# Altium PCB mppt.PcbDoc (part 1 of 3) (continued)
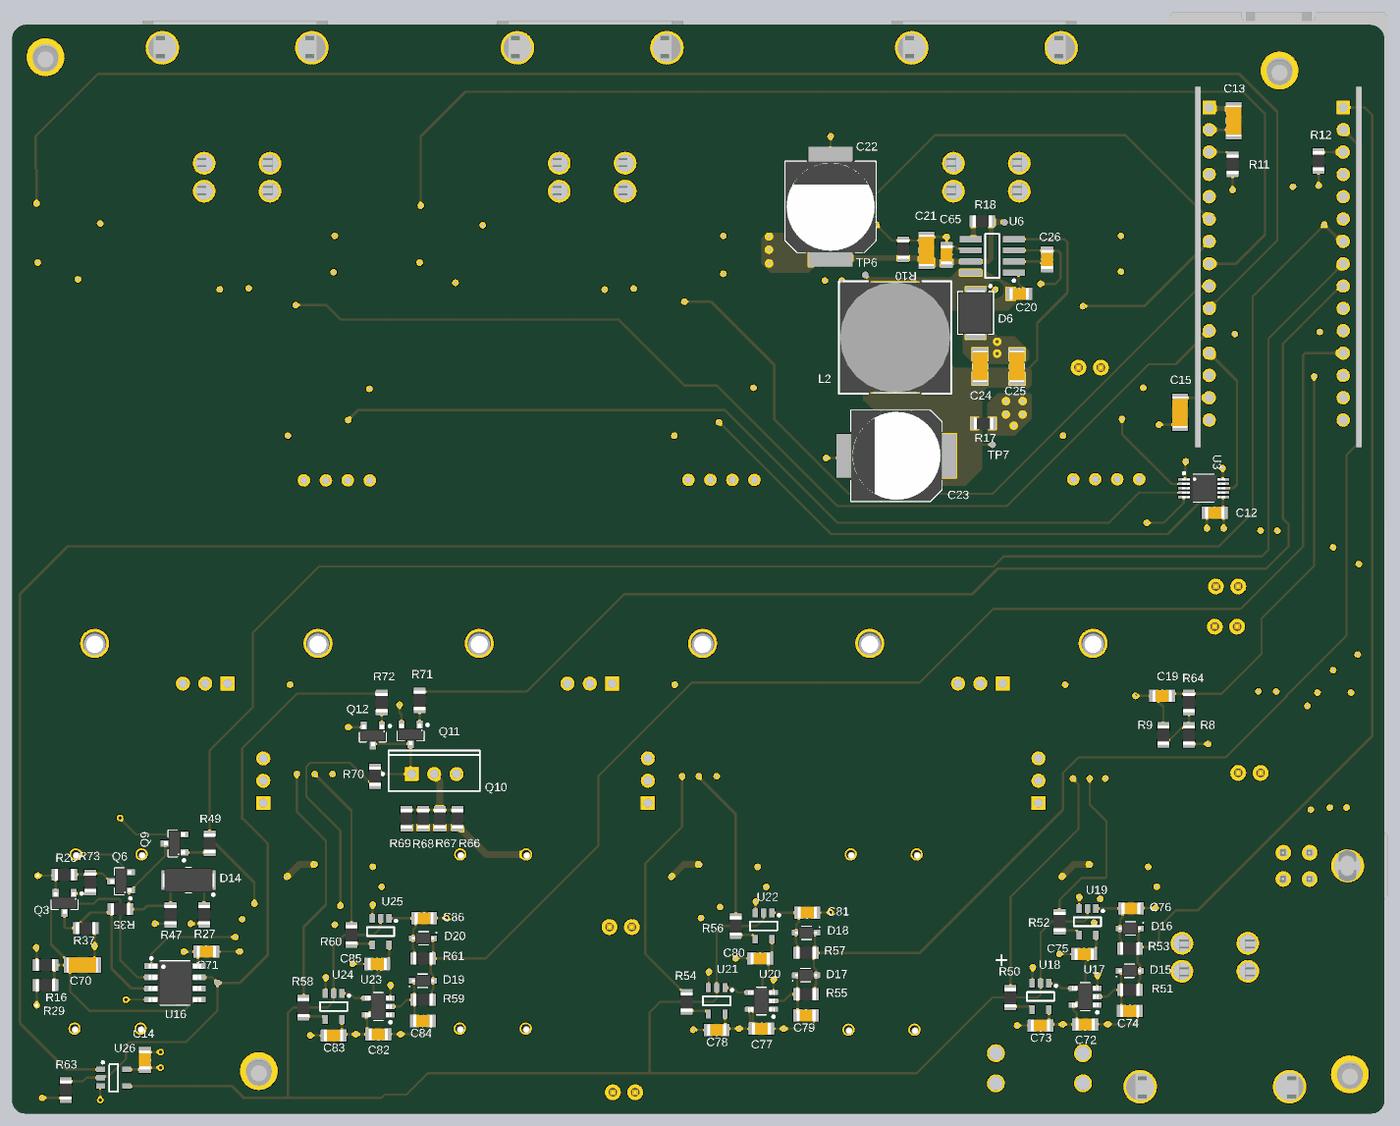
[diagram p7: 3D render of the assembled board from below, using the file's embedded part models]

## Layer stack, top to bottom
Top Solder: solder mask 0.4, Solder Resist, Dk 3.5
Top Layer: signal copper 1.4
Dielectric 2: prepreg 2.8, PP-006, Dk 4.1
Layer 1: plane copper 1.378, net (Multiple Nets)
Dielectric 1: dielectric 12.6, FR-4, Dk 4.8
Layer 2: plane copper 1.378, net (Multiple Nets)
Dielectric 3: prepreg 2.8, PP-006, Dk 4.1
Bottom Layer: signal copper 1.4
Bottom Solder: solder mask 0.4, Solder Resist, Dk 3.5

## Board outline
60,0 6085,0 ccw(c6085,60) 6145,60 6145,4810 ccw(c6080,4810) 6080,4875 65,4875 ccw(c65,4810) 0,4810 0,60 ccw(c60,60)

## Design rules (kind name [scope] priority, off if disabled: settings)
Clearance HV_60V_Clearence [InNetClass('HV_60V') vs (NOT InNetClass('HV_60V')) AND (NOT InNetClass('HV_115V'))] p1: gap=24 ignorepadtopadclearanceinfootprint=TRUE except(0: Arc-Hole Track-Hole SMDPad-Hole THPad-Hole Via-Hole Fill-Hole Poly-Hole Region-Hole Text-Hole; 10: Arc-Text Track-Text SMDPad-Text THPad-Text Via-Text Fill-Text Poly-Text Region-Text Text-Text)
Clearance HV_115V_Clearence [InNetClass('HV_115V') vs NOT InNetClass('HV_115V')] p2: gap=24 ignorepadtopadclearanceinfootprint=TRUE except(0: Arc-Hole Track-Hole SMDPad-Hole THPad-Hole Via-Hole Fill-Hole Poly-Hole Region-Hole Text-Hole; 10: Arc-Text Track-Text SMDPad-Text THPad-Text Via-Text Fill-Text Poly-Text Region-Text Text-Text)
Clearance [All] p3: gap=10 ignorepadtopadclearanceinfootprint=TRUE except(0: Arc-Hole Track-Hole SMDPad-Hole THPad-Hole Via-Hole Fill-Hole Poly-Hole Region-Hole Text-Hole; 8: Arc-SMDPad Track-SMDPad)
DiffPairsRouting [All] p1: maxlimit=10 minlimit=10 mostfreqgap=10 toplayer_minwidth=15 toplayer_maxwidth=15 toplayer_prefwidth=15 bottomlayer_minwidth=15 bottomlayer_maxwidth=15 bottomlayer_prefwidth=15 maxuncoupledlength=500
Height [All] p1: minheight=0 maxheight=2000 prefheight=500
HoleSize [All] p1: absolutevalues=TRUE maxlimit=200 minlimit=1 maxpercent=80.000 minpercent=20.000
PlaneClearance [All] p1: clearance=20
PlaneConnect [All] p1: planeconnectstyle=Relief reliefexpansion=20 reliefentries=4 reliefconductorwidth=10 reliefairgap=10
PolygonConnect [All] p1: connectstyle=Direct reliefconductorwidth=10 reliefentries=4 polygonreliefangle="90 Angle" airgapwidth=10
RoomDefinition PWM_COND2 [InComponentClass('PWM_COND2')] p1: confinementstyle=ConfineIn formatcopy=TRUE lockcomponents=FALSE outline 2470,325 3175,325 3175,950 2470,950
RoomDefinition PWM_COND1 [InComponentClass('PWM_COND1')] p2: confinementstyle=ConfineIn formatcopy=TRUE lockcomponents=FALSE outline 1020,344.37 1725,344.37 1725,969.37 1020,969.37
RoomDefinition PWM_COND3 [InComponentClass('PWM_COND3')] p3: confinementstyle=ConfineIn formatcopy=TRUE lockcomponents=FALSE outline 4185,300 4890,300 4890,925 4185,925
RoomDefinition STRING1 [InComponentClass('STRING1')] p4: confinementstyle=ConfineIn formatcopy=TRUE lockcomponents=FALSE outline 915,5 2685,5 2685,4655 915,4655
RoomDefinition U_boost_converter_telem2 [InComponentClass('U_boost_converter_telem2')] p5: confinementstyle=ConfineIn formatcopy=TRUE lockcomponents=FALSE outline 2708.16,1882.2 4368.16,1882.2 4368.16,4112.2 2708.16,4112.2
RoomDefinition U_boost_converter_telem1 [InComponentClass('U_boost_converter_telem1')] p6: confinementstyle=ConfineIn formatcopy=TRUE lockcomponents=FALSE outline 985,1880 2610,1880 2610,4115 985,4115
RoomDefinition STRING3 [InComponentClass('STRING3')] p7: confinementstyle=ConfineIn formatcopy=TRUE lockcomponents=FALSE outline 4385,10 6120,10 6120,4620 4385,4620
RoomDefinition U_boost_converter_telem3 [InComponentClass('U_boost_converter_telem3')] p8: confinementstyle=ConfineIn formatcopy=TRUE lockcomponents=FALSE outline 4430,1880 6090,1880 6090,4110 4430,4110
RoomDefinition STRING2 [InComponentClass('STRING2')] p9: confinementstyle=ConfineIn formatcopy=TRUE lockcomponents=FALSE outline 2660,10 4450,10 4450,4620 2660,4620
RoutingVias [All] p1: holewidth=15 width=30 viastyle="Through Hole" minholewidth=15 minwidth=30 maxholewidth=15 maxwidth=30
SilkToSilkClearance [All] p1: silktosilkclearance=0
SilkToSolderMaskClearance [IsPad] p1: minsilkscreentomaskgap=0 clearancetoexposedcopper=TRUE
SolderMaskExpansion [All] p1: expansion=4 istentingtop=FALSE
Width [All] p1: maxlimit=100 minlimit=8 preferedwidth=10 minimp=50.000000 maximp=50.000000 favimp=50.000000
23 further rules are at their usual default settings.

## Classes and differential pairs
channel class pwm_conditioning: PWM_COND1 PWM_COND2 PWM_COND3
component class PWM_COND3: C82 C83 C84 C85 C86 D19 D20 R58 R59 R60 R61 U23 U24 U25
component class PWM_COND2: C77 C78 C79 C80 C81 D17 D18 R54 R55 R56 R57 U20 U21 U22
component class PWM_COND1: C72 C73 C74 C75 C76 D15 D16 R50 R51 R52 R53 U17 U18 U19
component class OV_detect: C70 C71 D14 LED1 Q3 Q6 Q9 R16 R20 R27 R29 R35 R37 R47 R48 R49 R63 R73 S1 TP2 TP12 U16
net class HV_115V: BATT_TELEM_OUT BOOST_OUT_STRING1 BOOST_STRING1 BOOST_STRING2 BOOST_STRING3 DH_STRING1 DH_STRING2 DH_STRING3 NetC8_1 NetC37_1 NetC47_1 SYNC_DRV_STRING1 SYNC_DRV_STRING2 SYNC_DRV_STRING3
net class HV_60V: I_SC_IN_NEG_STRING1 I_SC_IN_NEG_STRING2 I_SC_IN_NEG_STRING3 I_SC_IN_POS_STRING1 I_SC_IN_POS_STRING2 I_SC_IN_POS_STRING3 NetC20_1 NetC20_2 NetC21_1 NetR18_2 STRING_POS_STRING1 STRING_POS_STRING2 STRING_POS_STRING3
component class MPPT_TOP: C20 C21 C22 C23 C24 C25 C26 C27 C28 C29 C65 D3 D4 D5 D6 L2 R10 R13 R17 R18 R19 R21 R62 TP5 TP6 TP7 TP8 TP9 U6 U7
component class U_boost_converter_telem3: C59 C60 C68 C69 P9 R31 R44 R45 R46 TH3 TP24 U11
component class U_boost_converter_telem2: C55 C56 C61 C67 P8 R23 R41 R42 R43 TH2 TP21 U10
component class U_boost_converter_telem1: C51 C52 C53 C57 P7 R2 R38 R39 R40 TH1 TP18 U2
channel class boost_converter_telem: STRING1 STRING2 STRING3
channel class boost_converter: STRING1 STRING2 STRING3
component class STRING3: C40 C41 C42 C43 C44 C45 C46 C47 C48 C49 C64 D9 D10 D13 HS3 L4 L7 Q7 Q8 R30 R32 R33 R34 R36 TP13 U9
component class STRING2: C30 C31 C32 C33 C34 C35 C36 C37 C38 C39 C63 D7 D8 D12 HS2 L3 L6 Q4 Q5 R22 R24 R25 R26 R28 TP10 U8
component class STRING1: C1 C2 C3 C4 C5 C6 C7 C8 C9 C10 C62 D1 D2 D11 HS1 L1 L5 Q1 Q2 R1 R3 R4 R5 R7 TP1 U1
differential pair CAN: +CAN_P -CAN_N

## Components (designator, comment, footprint, x,y, rotation, side; value= is the part's Value field where it differs from the comment)
C1 "10 µF" SMD-1206C 1669.61,3865.2 r90 top
C2 "10 µF" SMD-1206C 1569.61,3865.31 r90 top
C3 "C1206C105K1RACTU" SMD-1206C 1774.61,3865.2 r270 top
C4 "C1206C105K1RACTU" SMD-1206C 1879.61,3865.2 r270 top
C5 "UCY2G101MHD6" UCY2G101MHD6 2389.88,1160.2 r180 top
C6 "0.1uF" SMD-0805C 1940,1627.6 r270 top
C7 "10 µF" SMD-1206C 2060,1630.12 r270 top
C8 "0.1uF" SMD-0805C 1319.61,1040.2 r0 top
C9 "C1206C105K1RACTU" SMD-1206C 1149.61,1025.2 r180 top
C10 "0.1uF" SMD-0805C 1174.61,1115.2 r0 top
C11 "C1206C105K1RACTU" SMD-1206C 555,3355 r90 top (schematic designator C18)
C12 "0.1uF" SMD-0805C 760,2690 r0 bottom (schematic designator C33)
C13 "C1206C105K1RACTU" SMD-1206C 675,4445 r270 bottom (schematic designator C15)
C14 "0.1uF" SMD-0805C 5550,240 r270 bottom (schematic designator C16)
C15 "C1206C105K1RACTU" SMD-1206C 915,3140 r270 bottom (schematic designator C17)
C16 "10 µF" SMD-1206C 670,3355 r270 top (schematic designator C21)
C17 "0.1uF" SMD-0805C 515,2545 r180 top (schematic designator C19)
C18 "0.1uF" SMD-0805C 525,1965 r180 top (schematic designator C20)
C19 "0.1uF" SMD-0805C 995,1870 r0 bottom (schematic designator C11)
C20 "0.1uF" SMD-0805C 1635.95,3670 r0 bottom (schematic designator C22)
C21 "C1206C105K1RACTU" SMD-1206C 2050.95,3865 r90 bottom (schematic designator C23)
C22 "PCR1J101MCL1GS" CAPAE110103X126M 2480,4060 r90 bottom (schematic designator C24)
C23 "PCR1J101MCL1GS" CAPAE110103X126M 2185,2945 r0 bottom (schematic designator C25)
C24 "10 µF" SMD-1206C 1810.95,3345 r270 bottom (schematic designator C26)
C25 "C1206C105K1RACTU" SMD-1206C 1645.95,3345 r90 bottom (schematic designator C27)
C26 "0.1uF" SMD-0805C 1510.95,3825 r90 bottom (schematic designator C28)
C27 "0.1uF" SMD-0805C 210,1445 r180 top (schematic designator C29)
C28 "10 µF" SMD-1206C 345,1495 r90 top (schematic designator C30)
C29 "C1206C105K1RACTU" SMD-1206C 345,1705 r90 top (schematic designator C31)
C30 "10 µF" SMD-1206C 3418.19,3865 r90 top (schematic designator C1)
C31 "10 µF" SMD-1206C 3318.19,3865.12 r90 top (schematic designator C2)
C32 "C1206C105K1RACTU" SMD-1206C 3523.19,3865 r270 top (schematic designator C3)
C33 "C1206C105K1RACTU" SMD-1206C 3628.19,3865 r270 top (schematic designator C4)
C34 "UCY2G101MHD6" UCY2G101MHD6 4138.46,1160 r180 top (schematic designator C5)
C35 "0.1uF" SMD-0805C 3715,1610 r270 top (schematic designator C6)
C36 "10 µF" SMD-1206C 3825,1610 r270 top (schematic designator C7)
C37 "0.1uF" SMD-0805C 3068.19,1040 r0 top (schematic designator C8)
C38 "C1206C105K1RACTU" SMD-1206C 2898.19,1025 r180 top (schematic designator C9)
C39 "0.1uF" SMD-0805C 2923.19,1115 r0 top (schematic designator C10)
C40 "10 µF" SMD-1206C 5140,3865 r90 top (schematic designator C1)
C41 "10 µF" SMD-1206C 5040,3865.12 r90 top (schematic designator C2)
C42 "C1206C105K1RACTU" SMD-1206C 5245,3865 r270 top (schematic designator C3)
C43 "C1206C105K1RACTU" SMD-1206C 5350,3865 r270 top (schematic designator C4)
C44 "UCY2G101MHD6" UCY2G101MHD6 5860.28,1160 r180 top (schematic designator C5)
C45 "0.1uF" SMD-0805C 5405,1620 r270 top (schematic designator C6)
C46 "10 µF" SMD-1206C 5510,1625.12 r270 top (schematic designator C7)
C47 "0.1uF" SMD-0805C 4790,1040 r0 top (schematic designator C8)
C48 "C1206C105K1RACTU" SMD-1206C 4620,1025 r180 top (schematic designator C9)
C49 "0.1uF" SMD-0805C 4645,1115 r0 top (schematic designator C10)
C51 "0.1uF" SMD-0805C 1085,3145 r90 top (schematic designator C12)
C52 "0.1uF" SMD-0805C 2435,3805 r0 top (schematic designator C13)
C53 "0.1uF" SMD-0805C 1255,3730 r90 top (schematic designator C14)
C55 "0.1uF" SMD-0805C 2825,3155 r90 top (schematic designator C12)
C56 "0.1uF" SMD-0805C 4195,3805 r0 top (schematic designator C13)
C57 "0.1uF" SMD-0805C 2555,3935 r270 top (schematic designator C37)
C59 "0.1uF" SMD-0805C 4545,3145 r90 top (schematic designator C12)
C60 "0.1uF" SMD-0805C 5890,3815 r0 top (schematic designator C13)
C61 "0.1uF" SMD-0805C 3035,3725 r90 top (schematic designator C14)
C62 "UCY2G101MHD6" UCY2G101MHD6 2400,375 r180 top (schematic designator C34)
C63 "UCY2G101MHD6" UCY2G101MHD6 4140.28,380 r180 top (schematic designator C34)
C64 "UCY2G101MHD6" UCY2G101MHD6 5865,380 r180 top (schematic designator C34)
C65 "0.1uF" SMD-0805C 1960.95,3845 r90 bottom (schematic designator C35)
C67 "0.1uF" SMD-0805C 4320,3925 r270 top (schematic designator C37)
C68 "0.1uF" SMD-0805C 4780,3730 r90 top (schematic designator C14)
C69 "0.1uF" SMD-0805C 6035,3930 r270 top (schematic designator C37)
C70 "C1206C105K1RACTU" SMD-1206C 5830,665 r180 bottom (schematic designator C43)
C71 "0.1uF" SMD-0805C 5275,725 r180 bottom (schematic designator C44)
C72 "0.1uF" SMD-0805C 1340,398.74 r0 bottom (schematic designator C38)
C73 "0.1uF" SMD-0805C 1540,393.74 r180 bottom (schematic designator C39)
C74 "0.1uF" SMD-0805C 1140,458.74 r0 bottom (schematic designator C40)
C75 "0.1uF" SMD-0805C 1345,713.74 r180 bottom (schematic designator C41)
C76 "0.1uF" SMD-0805C 1135,918.74 r0 bottom (schematic designator C42)
C77 "0.1uF" SMD-0805C 2790,379.37 r0 bottom (schematic designator C38)
C78 "0.1uF" SMD-0805C 2990,374.37 r180 bottom (schematic designator C39)
C79 "0.1uF" SMD-0805C 2590,439.37 r0 bottom (schematic designator C40)
C80 "0.1uF" SMD-0805C 2795,694.37 r180 bottom (schematic designator C41)
C81 "0.1uF" SMD-0805C 2585,899.37 r0 bottom (schematic designator C42)
C82 "0.1uF" SMD-0805C 4505,354.37 r0 bottom (schematic designator C38)
C83 "0.1uF" SMD-0805C 4705,349.37 r180 bottom (schematic designator C39)
C84 "0.1uF" SMD-0805C 4305,414.37 r0 bottom (schematic designator C40)
C85 "0.1uF" SMD-0805C 4510,669.37 r180 bottom (schematic designator C41)
C86 "0.1uF" SMD-0805C 4300,874.37 r0 bottom (schematic designator C42)
D1 "B340A-13-F" DIOM4326X20N 1584.61,1170.2 r0 top
D2 "B340A-13-F" DIOM4326X20N 1024.61,1435.2 r90 top
D3 "S320" DIOM4436X26N 1210,4165 r270 top
D4 "S320" DIOM4436X26N 2965,4157.99 r270 top
D5 "S320" DIOM4436X26N 4595,4175 r270 top
D6 "S320" DIOM4436X26N 1830.95,3585 r270 bottom
D7 "B340A-13-F" DIOM4326X20N 3333.19,1170 r0 top (schematic designator D1)
D8 "B340A-13-F" DIOM4326X20N 2773.19,1435 r90 top (schematic designator D2)
D9 "B340A-13-F" DIOM4326X20N 5055,1170 r0 top (schematic designator D1)
D10 "B340A-13-F" DIOM4326X20N 4495,1435 r90 top (schematic designator D2)
D11 "TSP10H200S S1G" "TSP10H200S S1G" 1760,1603.74 r90 top (schematic designator D7)
D12 "TSP10H200S S1G" "TSP10H200S S1G" 3515,1605 r90 top (schematic designator D7)
D13 "TSP10H200S S1G" "TSP10H200S S1G" 5240,1608.74 r90 top (schematic designator D7)
D14 "150V" CAPM3216X18N 5355,1045 r0 bottom (schematic designator D10)
D15 "Diode General Purpose_2" SODFL250X110-2N 1140,638.74 r0 bottom (schematic designator D8)
D16 "Diode General Purpose_2" SODFL250X110-2N 1140,828.74 r180 bottom (schematic designator D9)
D17 "Diode General Purpose_2" SODFL250X110-2N 2590,619.37 r0 bottom (schematic designator D8)
D18 "Diode General Purpose_2" SODFL250X110-2N 2590,809.37 r180 bottom (schematic designator D9)
D19 "Diode General Purpose_2" SODFL250X110-2N 4305,594.37 r0 bottom (schematic designator D8)
D20 "Diode General Purpose_2" SODFL250X110-2N 4305,784.37 r180 bottom (schematic designator D9)
F1 "3568" "Fuse Holder 30A 500V 1 Circuit Blade Through Hole" 1740,270 r180 top
HS1 "6396BG" 6396BG 1304.61,2105.2 r0 top
HS2 "6396BG" 6396BG 3053.19,2105 r0 top (schematic designator HS1)
HS3 "6396BG" 6396BG 4775,2105 r0 top (schematic designator HS1)
L1 "74437529203101" 7443752903101 2074.61,3210.2 r270 top
L2 "SRR1260A-561K" SRR1260A-561K 2190.95,3475 r270 bottom
L3 "74437529203101" 7443752903101 3823.19,3210 r270 top (schematic designator L1)
L4 "74437529203101" 7443752903101 5545,3210 r270 top (schematic designator L1)
L5 "7443251000" INDP105102X50N 2450,4370 r270 top (schematic designator L3)
L6 "7443251000" INDP105102X50N 4215,4365 r270 top (schematic designator L3)
L7 "7443251000" INDP105102X50N 5820,4365 r270 top (schematic designator L3)
LED1 "LED RED 0603" "LED 0603 RED" 4995,870 r0 top (schematic designator LED)
MH1 "4-40 Mount Hole" MH 5995,4730 r0 top
MH2 "4-40 Mount Hole" MH 5040,190 r0 top
MH3 "4-40 Mount Hole" MH 155,175 r0 top
MH4 "4-40 Mount Hole" MH 470,4670 r0 top
P1 "0431605302" "CONN HDR 2POS 7.50MM" 2117.01,4771.93 r180 top (schematic designator P2)
P2 "0431605302" "CONN HDR 2POS 7.50MM" 3882.01,4771.93 r180 top (schematic designator P3)
P3 "0431605302" "CONN HDR 2POS 7.50MM" 425,120 r0 top (schematic designator P4)
P4 "0431605302" "CONN HDR 2POS 7.50MM" 5472.01,4771.93 r180 top (schematic designator P5)
P5 "43045-0400" 430450400 165,1109 r270 top (schematic designator P6)
P6 "Header 2" "Pin Header 1x2 TH Pitch 2.54mm" 655,1525 r180 top (schematic designator P7)
P7 "JST-XH Header" "JST - XH 4 Pos" 1098.16,2840 r0 top (schematic designator P1)
P8 "JST-XH Header" "JST - XH 4 Pos" 2821.32,2837.2 r0 top (schematic designator P1)
P9 "JST-XH Header" "JST - XH 4 Pos" 4543.16,2835 r0 top (schematic designator P1)
P10 "Header 2" "Pin Header 1x2 TH Pitch 2.54mm" 1370,3340 r180 top (schematic designator P8)
P11 "Header 2" "Pin Header 1x2 TH Pitch 2.54mm" 760,2180 r180 top (schematic designator P9)
P12 "Header 2" "Pin Header 1x2 TH Pitch 2.54mm" 755,2360 r180 top (schematic designator P10)
P13 "Header 2" "Pin Header 1x2 TH Pitch 2.54mm" 3455,95 r180 top (schematic designator P11)
P14 "Header 2" "Pin Header 1x2 TH Pitch 2.54mm" 3370,835 r0 top (schematic designator P12)
Q1 "IPP075N15N3GXKSA1" "IPP075N15N3 G" 1549.61,1490.2 r180 top
Q2 "IPP075N15N3GXKSA1" "IPP075N15N3 G" 1809.61,1925.2 r90 top
Q3 "MMBT3906-7-F" SOTFL103P240X110-3N 5974.45,1007.68 r270 bottom
Q4 "IPP075N15N3GXKSA1" "IPP075N15N3 G" 3298.19,1490 r180 top (schematic designator Q1)
Q5 "IPP075N15N3GXKSA1" "IPP075N15N3 G" 3558.19,1925 r90 top (schematic designator Q2)
Q6 "MMBT100" SOTFL103P240X110-3N 5592.32,1104.45 r0 bottom (schematic designator Q4)
Q7 "IPP075N15N3GXKSA1" "IPP075N15N3 G" 5020,1490 r180 top (schematic designator Q1)
Q8 "IPP075N15N3GXKSA1" "IPP075N15N3 G" 5280,1925 r90 top (schematic designator Q2)
Q9 "MMBT100" SOTFL103P240X110-3N 5352.32,1274.45 r0 bottom (schematic designator Q5)
Q10 "IPP075N15N3GXKSA1" "IPP075N15N3 G" 4255,1520 r90 bottom (schematic designator Q6)
Q11 "MMBT100" SOTFL103P240X110-3N 4425.55,1762.68 r270 bottom (schematic designator Q7)
Q12 "MMBT100" SOTFL103P240X110-3N 4594.45,1757.68 r270 bottom (schematic designator Q8)
R1 "0.01" SMD-2512 2119.61,3870.2 r270 top
R2 "1k" SMD-0805-RES 1340,3730 r270 top
R3 "100k" SMD-0805-RES 1340,3890 r270 top
R4 "3.3k" SMD-0805-RES 1250,3890 r90 top
R5 "20" SMD-0805-RES 1574.61,1035.2 r0 top
R6 "10k" SMD-0805-RES 370,3985 r0 top (schematic designator R36)
R7 "20" SMD-0805-RES 1149.61,1500.2 r90 top
R8 "1M" SMD-0805-RES 875,1695 r270 bottom (schematic designator R45)
R9 "10k" SMD-0805-RES 990,1695 r270 bottom (schematic designator R46)
R10 "100k" SMD-0805-RES 2155,3870 r90 bottom (schematic designator R6)
R11 "10k" SMD-0805-RES 680,4250 r270 bottom (schematic designator R12)
R12 "10k" SMD-0805-RES 295,4265 r270 bottom (schematic designator R13)
R13 "1k" SMD-0805-RES 70,1750 r90 top (schematic designator R14)
R14 "60.4" SMD-0805-RES 645,1660 r270 top (schematic designator R15)
R15 "60.4" SMD-0805-RES 555,1660 r270 top (schematic designator R16)
R16 "100k" SMD-0805-RES 5995,665 r180 bottom (schematic designator R27)
R17 "0.0" SMD-0805-RES 1795.95,3090 r0 bottom (schematic designator R18)
R18 "0.0" SMD-0805-RES 1800.95,3995 r0 bottom (schematic designator R19)
R19 "0.0" SMD-0805-RES 225,1845 r270 top (schematic designator R20)
R20 "1k" SMD-0805-RES 5910,1070 r0 bottom (schematic designator R28)
R21 "10k" SMD-0805-RES 70,1610 r90 top (schematic designator R22)
R22 "0.01" SMD-2512 3868.19,3870 r270 top (schematic designator R1)
R23 "1k" SMD-0805-RES 3130,3730 r270 top (schematic designator R2)
R24 "100k" SMD-0805-RES 3130,3890 r270 top (schematic designator R3)
R25 "3.3k" SMD-0805-RES 3038.19,3890 r90 top (schematic designator R4)
R26 "20" SMD-0805-RES 3323.19,1035 r0 top (schematic designator R5)
R27 "10k" SMD-0805-RES 5285,890 r270 bottom (schematic designator R29)
R28 "20" SMD-0805-RES 2898.19,1500 r90 top (schematic designator R7)
R29 "100k" SMD-0805-RES 5995,575 r0 bottom (schematic designator R30)
R30 "0.01" SMD-2512 5590,3870 r270 top (schematic designator R1)
R31 "1k" SMD-0805-RES 4870,3730 r270 top (schematic designator R2)
R32 "100k" SMD-0805-RES 4870,3890 r270 top (schematic designator R3)
R33 "3.3k" SMD-0805-RES 4780,3890 r90 top (schematic designator R4)
R34 "20" SMD-0805-RES 5045,1035 r0 top (schematic designator R5)
R35 "1k" SMD-0805-RES 5660,915 r0 bottom (schematic designator R31)
R36 "20" SMD-0805-RES 4620,1500 r90 top (schematic designator R7)
R37 "10k" SMD-0805-RES 5815,830 r180 bottom (schematic designator R32)
R38 "10k" SMD-0805-RES 1314,3032 r0 top (schematic designator R9)
R39 "30k" SMD-0805-RES 1114,3032 r180 top (schematic designator R10)
R40 "1k" SMD-0805-RES 2435,3970 r0 top (schematic designator R11)
R41 "10k" SMD-0805-RES 3063.16,3032.2 r0 top (schematic designator R9)
R42 "30k" SMD-0805-RES 2863.16,3032.2 r180 top (schematic designator R10)
R43 "1k" SMD-0805-RES 4190,3960 r0 top (schematic designator R11)
R44 "10k" SMD-0805-RES 4785,3030 r0 top (schematic designator R9)
R45 "30k" SMD-0805-RES 4585,3030 r180 top (schematic designator R10)
R46 "1k" SMD-0805-RES 5920,3965 r0 top (schematic designator R11)
R47 "10k" SMD-0805-RES 5435,890 r270 bottom (schematic designator R33)
R48 "330" SMD-0805-RES 5005,785 r0 top (schematic designator R34)
R49 "1k" SMD-0805-RES 5260,1210 r270 bottom (schematic designator R35)
R50 "0.0" SMD-0805-RES 1675,518.74 r90 bottom (schematic designator R17)
R51 "1" SMD-0805-RES 1140,553.74 r180 bottom (schematic designator R21)
R52 "0.0" SMD-0805-RES 1455,858.74 r90 bottom (schematic designator R25)
R53 "1" SMD-0805-RES 1140,738.74 r180 bottom (schematic designator R26)
R54 "0.0" SMD-0805-RES 3125,499.37 r90 bottom (schematic designator R17)
R55 "1" SMD-0805-RES 2590,534.37 r180 bottom (schematic designator R21)
R56 "0.0" SMD-0805-RES 2905,839.37 r90 bottom (schematic designator R25)
R57 "1" SMD-0805-RES 2590,719.37 r180 bottom (schematic designator R26)
R58 "0.0" SMD-0805-RES 4840,474.37 r90 bottom (schematic designator R17)
R59 "1" SMD-0805-RES 4305,509.37 r180 bottom (schematic designator R21)
R60 "0.0" SMD-0805-RES 4625,800 r90 bottom (schematic designator R25)
R61 "1" SMD-0805-RES 4305,694.37 r180 bottom (schematic designator R26)
R62 "30k" SMD-0805-RES 190,1720 r0 top (schematic designator R8)
R63 "10k" SMD-0805-RES 5905,105 r90 bottom (schematic designator R37)
R64 "1k" SMD-0805-RES 875,1840 r90 bottom (schematic designator R38)
R65 "100k" SMD-0805-RES 370,4070 r0 top (schematic designator R23)
R66 "200k" SMD-0805-RES 4150,1320 r270 bottom (schematic designator R24)
R67 "200k" SMD-0805-RES 4230,1320 r270 bottom (schematic designator R39)
R68 "200k" SMD-0805-RES 4305,1320 r270 bottom (schematic designator R40)
R69 "200k" SMD-0805-RES 4380,1320 r270 bottom (schematic designator R41)
R70 "10k" SMD-0805-RES 4520,1510 r270 bottom (schematic designator R42)
R71 "1k" SMD-0805-RES 4320,1850 r90 bottom (schematic designator R43)
R72 "1k" SMD-0805-RES 4490,1840 r90 bottom (schematic designator R44)
R73 "1k" SMD-0805-RES 5795,1035 r90 bottom (schematic designator R47)
R74 "10k" SMD-0805-RES 290,3660 r270 top (schematic designator R48)
S1 "OFF-mom push button SPST" K12SCS1.55NOLFTX 4607.99,845 r0 top
TH1 "NCP21XM472J03RA" SMD-0805-RES 1514,1962 r90 top
TH2 "NCP21XM472J03RA" SMD-0805-RES 3263.16,1962.2 r90 top (schematic designator TH1)
TH3 "NCP21XM472J03RA" SMD-0805-RES 4985,1960 r90 top (schematic designator TH1)
TP1 "TP" "Test Point" 1420,3810 r0 top
TP2 "TP" "Test Point" 5045,710 r90 top (schematic designator TP3)
TP5 "TP" "Test Point" 1700.95,3990 r90 bottom (schematic designator TP7)
TP6 "TP" "Test Point" 2325,3755 r90 bottom (schematic designator TP8)
TP7 "TP" "Test Point" 1755,2995 r90 bottom (schematic designator TP9)
TP8 "TP" "Test Point" 150,1945 r90 top (schematic designator TP10)
TP9 "TP" "Test Point" 140.63,1649.37 r90 top (schematic designator TP11)
TP10 "TP" "Test Point" 3210,3810 r0 top (schematic designator TP1)
TP12 "TP" "Test Point" 5225,585 r90 bottom (schematic designator TP13)
TP13 "TP" "Test Point" 4940,3810 r0 top (schematic designator TP1)
TP18 "TP" "Test Point" 1219,3032 r90 top (schematic designator TP6)
TP21 "TP" "Test Point" 2968.16,3032.2 r90 top (schematic designator TP6)
TP24 "TP" "Test Point" 4690,3030 r90 top (schematic designator TP6)
U1 "MAX5063CASA+" MAX5063DASA+ 1294.61,1305.2 r90 top
U2 "INA281A1QDBVRQ1" SOT95P280X145-5N 2270,3860 r270 top (schematic designator U3)
U3 "TMUX1204DGSR" TSSOP50P490X110-10N 810,2799.84 r180 bottom (schematic designator U9)
U4 "NUCLEO-L432KC" NUCLEO-L432KC 185,4505 r0 top
U5 "ISO1050DWR" "IL 41050TE" 355,2260 r270 top
U6 "MAX5033CUSA+" MAX5033CUSA+ 1755.95,3840 r0 bottom
U7 "ST715CR" ST715CR 210,1545 r0 top
U8 "MAX5063CASA+" MAX5063DASA+ 3043.19,1305 r90 top (schematic designator U1)
U9 "MAX5063CASA+" MAX5063DASA+ 4765,1305 r90 top (schematic designator U1)
U10 "INA281A1QDBVRQ1" SOT95P280X145-5N 4035,3860 r270 top (schematic designator U3)
U11 "INA281A1QDBVRQ1" SOT95P280X145-5N 5750,3870 r270 top (schematic designator U3)
U16 "TL072CDR" SOP127P600X175-8N 5415,585 r180 bottom (schematic designator U13)
U17 "SN74AHC1G04DBVT" SOT95P280X145-5N 1340,523.74 r0 bottom (schematic designator U10)
U18 "BU4S81G2-TR" BU4S81G2 1540,523.74 r270 bottom (schematic designator U11)
U19 "BU4S81G2-TR" BU4S81G2 1330,858.74 r270 bottom (schematic designator U12)
U20 "SN74AHC1G04DBVT" SOT95P280X145-5N 2790,504.37 r0 bottom (schematic designator U10)
U21 "BU4S81G2-TR" BU4S81G2 2990,504.37 r270 bottom (schematic designator U11)
U22 "BU4S81G2-TR" BU4S81G2 2780,839.37 r270 bottom (schematic designator U12)
U23 "SN74AHC1G04DBVT" SOT95P280X145-5N 4505,479.37 r0 bottom (schematic designator U10)
U24 "BU4S81G2-TR" BU4S81G2 4705,479.37 r270 bottom (schematic designator U11)
U25 "BU4S81G2-TR" BU4S81G2 4495,814.37 r270 bottom (schematic designator U12)
U26 "BU4S81G2-TR" BU4S81G2 5690,160 r180 bottom (schematic designator U14)

## Footprints (in the part's own frame and the unit in brackets; to place one, negate y for a bottom-side part, rotate by r counter-clockwise, add the part's x,y. Pads: shape width x height; smd on the part's side, far side on the other; paste and mask are expansions set on the pad)
6396BG [mil] "Heat Sink TO-220, TO-218 Aluminum 4.0W @ 30°C Board Level, Vertical"
  round 130 hole 105: 0(0,0) 1(1000,0)
  body extent -325,-505 1325,495, height 1000
430450400 [mil]
  round 70 hole 40: 1(59,170) 2(-59,170) 3(59,288) 4(-59,288)
  round 148 hole 118: 5(0,0)
  silkscreen extent -210,-181 210,344, body extent -200,-180 200,302, height 340
7443752903101 [mm] "Precision Wire Wound Inductor, 2-Leads, Body 25.00x28.00mm, IPC Medium Density"
  rect 8x8.5 smd: 1(-8.5,0) 2(9.017,0)
  silkscreen extent -12.5,-14 12.5,14, body extent -11.42,-13.58 11.67,13.72, height 20
BU4S81G2 [mm]
  rect 1x0.6 smd: 1(-1.5,0.95) 2(-1.5,0) 3(-1.5,-0.95) 4(1.5,-0.95) 5(1.5,0.95)
  silkscreen extent -1.35,-1.55 0.5,1.87, body extent -0.9,-1.55 0.9,1.55, height 1.25
CAPAE110103X126M [mm] "Aluminum Electrolytic Capacitor, Body 10.30x10.30x12.60mm, IPC Low Density"
  rect 5x5 smd: 1(-4.3,0) 2(4.3,0)
  silkscreen extent -5.15,-5.15 5.15,5.15, body extent -5.5,-5.15 5.5,5.15, height 12.6
CAPM3216X18N [mm]
  rect 2.2x2.21 smd: 1(-1.975,0) 2(1.975,0)
  silkscreen extent -2.95,-1.4 0.3,1.78, body extent -2.97,-1.4 2.97,1.4, height 2.3
"CONN HDR 2POS 7.50MM" [mm]
  round 2.58 hole 1.98: 1(4.75,16.31) 1(4.75,13.13) 2(12.243,13.13) 2(12.243,16.31)
  round 3.81 hole 3.175: ""(0,0) ""(16.993,0)
  silkscreen extent -2.67,-1.49 20,18.42, body extent -2.29,-3.05 18.8,16.74, height 15.12
DIOM4326X20N [mm] "Molded Diode, 2-Leads, Body 4.30x2.61mm, IPC Medium Density"
  rect 2.7x1.7 smd: 1(-2,0) 2(2,0)
  silkscreen extent -3.22,-1.5 2.3,1.52, body extent -2.52,-1.46 2.52,1.46, height 1.96
DIOM4436X26N [mm] "Molded Diode, 2-Leads, Body 4.40x3.62mm, IPC Medium Density"
  rect 2.8x2.26 smd: 1(-1.6,0) 2(1.6,0)
  silkscreen extent -3.17,-2 2.4,2, body extent -2.6,-1.97 2.6,1.97, height 2.61
"Fuse Holder 30A 500V 1 Circuit Blade Through Hole" [mil]
  round 80 hole 63: 1(0,135) 1(0,0) 2(390,0) 2(390,135)
  silkscreen extent -115,-65 505,205, body extent -110,-60 505,200, height 290
"IL 41050TE" [mm]
  rect 1.5x0.6 smd: 1(-5.12,4.445) 2(-5.12,3.175) 3(-5.12,1.905) 4(-5.12,0.635) 5(-5.12,-0.635) 6(-5.12,-1.905) 7(-5.12,-3.175) 8(-5.12,-4.445) 9(5.12,-4.445) 10(5.12,-3.175) 11(5.12,-1.905) 12(5.12,-0.635) 13(5.12,0.635) 14(5.12,1.905) 15(5.12,3.175) 16(5.12,4.445)
  silkscreen extent -5.24,-5.25 3.4,5.42, body extent -5.16,-5.25 5.16,5.25, height 2.67
INDP105102X50N [mm] "Precision Wire Wound Inductor, 2-Leads, Body 10.50x10.20mm, IPC Medium Density"
  rect 3.85x4 smd: 1(-3.75,0) 2(3.75,0)
  silkscreen extent -5.3,-5.35 5.3,5.35, body extent -5.3,-5.35 5.3,5.35, height 5
"IPP075N15N3 G" [mm] "FM, 3-Leads, Body 10.03x8.98mm, Pitch 2.54mm"
  rect 1.6x1.6 hole 1: 1(0,2.54)
  round 1.6 hole 1: 2(0,0) 3(0,-2.54)
  silkscreen extent -1.93,-5.2 2.67,5.97, body extent -1.93,-5.2 2.67,5.2, height 20.75
"JST - XH 4 Pos" [mil]
  round 56 hole 33: 1(0,0) 2(98.42,0) 3(196.84,0) 4(295.26,0)
  silkscreen extent -95,-115 395,111, body extent -90,-110 390,105, height 275
K12SCS1.55NOLFTX [mm]
  oval 2.35x2.1 smd: 1(0,-9.9) 2(4.75,-9.9) 2(4.75,0)
  rect 2.35x2.1 smd: 1(0,0)
  silkscreen extent -2.03,-11.3 6.35,1.4, body extent -3.11,-10.75 7.69,0.85, height 9.08
"LED 0603 RED" [mm] "Chip Diode, 2-Leads, Body 1.60x0.80mm, IPC Medium Density"
  rect 0.9x0.95 smd: 1(-0.775,0) 2(0.775,0)
  silkscreen extent -0.25,-0.76 1.52,0.76, body extent -0.8,-0.4 0.8,0.4, height 0.8
MAX5033CUSA+ [mm] "SOIC, 8-Leads, Body 4.9x3.9mm, Pitch 1.27mm, IPC Low Density"
  rect 2.5x0.7 smd: 1(-2.45,1.905) 2(-2.45,0.635) 3(-2.45,-0.635) 4(-2.45,-1.905) 5(2.45,-1.905) 6(2.45,-0.635) 7(2.45,0.635) 8(2.45,1.905)
  silkscreen extent -2.57,-2.5 0.8,2.93, body extent -2,-2.5 2,2.5, height 1.75
MAX5063DASA+ [mm] "SOIC, 8-Leads, Body 4.9x3.9mm, Pitch 1.27mm, Thermal Pad, IPC Medium Density"
  rect 2x0.6 smd: 1(-2.5,1.905) 2(-2.5,0.635) 3(-2.5,-0.635) 4(-2.5,-1.905) 5(2.5,-1.905) 6(2.5,-0.635) 7(2.5,0.635) 8(2.5,1.905)
  rect 1.65x2.75 smd: 9(0,0)
  silkscreen extent -2.62,-2.5 1.1,2.88, body extent -1.99,-2.49 1.99,2.49, height 1.68
MH [mm] "#10 Mount Hole"
  round 4.3 hole 2.946 unplated: 2(0,0)
  silkscreen extent -3,-3 3,3, body extent -2.32,-2.58 2.32,2.07, height 2.84
NUCLEO-L432KC [mm]
  rect 1.53x1.53 hole 1.02: 3.1(0,0) 4.1(15.24,0)
  round 1.53 hole 1.02: 3.2(0,-2.54) 3.3(0,-5.08) 3.4(0,-7.62) 3.5(0,-10.16) 3.6(0,-12.7) 3.7(0,-15.24) 3.8(0,-17.78) 3.9(0,-20.32) 3.10(0,-22.86) 3.11(0,-25.4) 3.12(0,-27.94) 3.13(0,-30.48) 3.14(0,-33.02) 3.15(0,-35.56) 4.2(15.24,-2.54) 4.3(15.24,-5.08) 4.4(15.24,-7.62) 4.5(15.24,-10.16) 4.6(15.24,-12.7) 4.7(15.24,-15.24) 4.8(15.24,-17.78) 4.9(15.24,-20.32) 4.10(15.24,-22.86) 4.11(15.24,-25.4) 4.12(15.24,-27.94) 4.13(15.24,-30.48) 4.14(15.24,-33.02) 4.15(15.24,-35.56)
  silkscreen extent -2.74,-42.92 16.89,7.36, body extent -5.13,-47.16 19.87,10.84, height 6.96
"Pin Header 1x2 TH Pitch 2.54mm" [mm] "PinHeader 1x2 TH Pitch 2.54mm"
  round 1.8 hole 1: 1(0,0) 2(2.54,0)
  silkscreen extent -1.27,-1.27 3.81,1.27, body extent -1.27,-1.27 3.81,1.27, height 9.5
SMD-0805-RES [mm]
  rect 0.9x1.35 smd: 1(-1,0) 2(1,0)
  silkscreen extent -0.15,-0.58 0.15,0.58, body extent -1.1,-0.67 1.1,0.67, height 0.5
SMD-0805C [mm]
  rect 1.05x1.4 smd: 1(-0.95,0) 2(0.95,0)
  silkscreen extent -0.05,-0.6 0.05,0.6, body extent -1.1,-0.67 1.1,0.67, height 0.5
SMD-1206C [mm]
  rect 1.45x1.8 smd: 1(-1.4,0) 2(1.4,0)
  silkscreen extent -0.3,-0.8 0.3,0.8, body extent -1.78,-0.87 1.78,0.87, height 0.5
SMD-2512 [mm] "Chip Resistor, 2-Leads, Body 6.35x3.20mm, IPC Medium Density"
  rect 2.2x3.25 smd: 1(-2.45,0) 2(2.45,0)
  silkscreen extent -0.95,-1.52 0.95,1.53, body extent -3.18,-1.6 3.18,1.6, height 1.1
SODFL250X110-2N [mm] "SODFL, 2-Leads, Body 1.30x2.50mm, IPC Medium Density"
  rect 0.9x0.65 smd: 1(-1.15,0) 2(1.15,0)
  silkscreen extent -0.51,-0.76 1.57,0.76, body extent -1.25,-0.7 1.25,0.7, height 1.1
SOP127P600X175-8N [mm] "SOP, 8-Leads, Body 4.91x3.90mm, Pitch 1.27mm, IPC Medium Density"
  rect 1.55x0.65 smd: 1(-2.7,1.905) 2(-2.7,0.635) 3(-2.7,-0.635) 4(-2.7,-1.905) 5(2.7,-1.905) 6(2.7,-0.635) 7(2.7,0.635) 8(2.7,1.905)
  silkscreen extent -2.83,-2.5 1.65,2.9, body extent -3,-2.5 3,2.5, height 1.75
SOT95P280X145-5N [mm] "SOT23, 5-Leads, Body 2.90x2.80mm, Pitch 0.95mm, IPC Medium Density"
  rect 1x0.6 smd: 1(-1.375,0.95) 2(-1.375,0) 3(-1.375,-0.95) 4(1.375,-0.95) 5(1.375,0.95)
  silkscreen extent -1.5,-1.55 0.5,1.93, body extent -1.5,-1.53 1.5,1.53, height 1.45
SOTFL103P240X110-3N [mm]
  rect 1x0.7 smd: 1(0.576,2.681) 2(0.576,0.621) 3(2.726,1.651)
  silkscreen extent 0.45,0.15 2.35,3.71, body extent 0.45,0.15 2.85,3.15, height 1.1
SRR1260A-561K [mm]
  rect 2.9x5.4 smd: 1(-4.85,0) 2(4.85,0)
  silkscreen extent -6.4,-6.4 6.4,6.4, body extent -6.35,-6.25 6.35,6.25, height 6.6
ST715CR [mm] "SOT23, 5-Leads, Body 2.00x2.10mm, Pitch 0.65mm, IPC Medium Density"
  rect 0.9x0.4 smd: 1(-1.15,0.65) 2(-1.15,0) 3(-1.15,-0.65) 4(1.15,-0.65) 5(1.15,0.65)
  silkscreen extent -1.27,-1.1 0.3,1.52, body extent -1.2,-1.1 1.2,1.1, height 1.1
"Test Point" [mil] "SMD Test Point"
  round 30 smd: 1(0,0)
"TSP10H200S S1G" [mm] "Molded Diode, 2-Leads, Body 4.30x2.61mm, IPC Medium Density"
  rect 4.72x4.8 smd: 1(-2,0)
  rect 1.27x1.4 smd: 2(1.8,-1.04) 2(1.8,1.04)
  silkscreen extent -5.07,-3 2.25,2.98, body extent -4.15,-2.2 2.35,2.4, height 1.2
TSSOP50P490X110-10N [mm] "TSSOP, 10-Leads, Body 3.00x3.00mm, Pitch 0.50mm, IPC Medium Density"
  rect 1.35x0.3 smd: 1(-2.225,1) 2(-2.225,0.5) 3(-2.225,0) 4(-2.225,-0.5) 5(-2.225,-1) 6(2.225,-1) 7(2.225,-0.5) 8(2.225,0) 9(2.225,0.5) 10(2.225,1)
  silkscreen extent -2.35,-1.55 1.15,1.82, body extent -2.45,-1.55 2.45,1.55, height 1.1
UCY2G101MHD6 [mm]
  round 1.4 hole 1.016: 1(0,0) 2(7.5,0)
  silkscreen extent -5.25,-9 15.8,9, body extent -5.17,-8.87 12.83,9.12, height 32

## Part data
C1 C2 C7 C16 C24 C28 C30 C31 C36 C40 C41 C46: library part C3216X6S2A106K160AC, "10 µF ±10% 100V Ceramic Capacitor X6S 1206 (3216 Metric)", Manufacturer=TDK, Supplier Part Number 1=445-C3216X6S2A106K160ACCT-ND, Category="Ceramic Capacitors", Manufacturer Part Number=C3216X6S2A106K160AC, Pricing 1="1=1.39000, 10=1.10000, 50=0.95320, 100=0.82490, 500=0.62328, 1000=0.54994 (USD)", RoHS=Yes, Stock 1=2070, Supplier 1=Digi-Key
  C16: DNP=DNP
C3 C4 C9 C11 C13 C15 C21 C25 C29 C32 C33 C38 C42 C43 C48 C70: "Ceramic Capacitor, Multilayer, Ceramic, 100V, 10% +Tol, 10% -Tol, X7R, 15% TC, 1uF, Surface Mount, 1206", Capacitance=1uF, Capacitor Type=Ceramic, Manufacturer=KEMET, Max Operating Temperature=125°C, Min Operating Temperature=-55°C, Negative Tolerance=10%, Package Shape=Rectangular, Package Style=SMTMeter, Rated DC Voltage (URdc)=100V, Supplier Part Number 1=8919781, Temperature Characteristics Code=X7R, Category="Ceramic Capacitors", ComponentLink1Description=https://datasheet.ciiva.com:443/pdfs/VipMasterIC/IC/KEME/KEME-S-A0008991654/KEME-S-A0008991654-1.pdf?src-supplier=IHS+Markit, ComponentLink1URL=https://datasheet.ciiva.com:443/pdfs/VipMasterIC/IC/KEME/KEME-S-A0008991654/KEME-S-A0008991654-1.pdf?src-supplier=IHS+Markit, ComponentLink2Description=http://www.alliedelec.com/m/d/51f554c3dd800f51434b811e71a34895.pdf?src-supplier=Allied+Electronics, ComponentLink2URL=http://www.alliedelec.com/m/d/51f554c3dd800f51434b811e71a34895.pdf?src-supplier=Allied+Electronics, ComponentLink3Description=http://www.mouser.com/ds/2/212/KEM_C1002_X7R_SMD-357932.pdf?src-supplier=Mouser, ComponentLink3URL=http://www.mouser.com/ds/2/212/KEM_C1002_X7R_SMD-357932.pdf?src-supplier=Mouser, ComponentLink4Description=http://www.farnell.com/datasheets/2741188.pdf?src-supplier=Farnell, ComponentLink4URL=http://www.farnell.com/datasheets/2741188.pdf?src-supplier=Farnell, ComponentLink5Description=https://api.kemet.com/component-edge/download/datasheet/C1206C105K1RACTU.pdf?src-supplier=Digi-Key, ComponentLink5URL=https://api.kemet.com/component-edge/download/datasheet/C1206C105K1RACTU.pdf?src-supplier=Digi-Key, ComponentLink6Description=http://www.kemet.com/docfinder?Partnumber=C1206C105K1RACTU&src-supplier=Digi-Key, ComponentLink6URL=http://www.kemet.com/docfinder?Partnumber=C1206C105K1RACTU&src-supplier=Digi-Key, ComponentLink7Description=http://www.farnell.com/datasheets/2741188.pdf?src-supplier=Element14, ComponentLink7URL=http://www.farnell.com/datasheets/2741188.pdf?src-supplier=Element14, ComponentLink8Description=http://www.farnell.com/datasheets/2741188.pdf?src-supplier=Newark, ComponentLink8URL=http://www.farnell.com/datasheets/2741188.pdf?src-supplier=Newark, Dielectric Material=Ceramic, Height=1.6mm, JESD-609 Code=e3, Length=3.2mm, Manufacturer Part Number=C1206C105K1RACTU, Mount="Surface Mount", Multilayer=Yes, Number of Pins=2, Packaging="Tape and Reel", Positive Tolerance=10%, Pricing 1="20=0.37000, 200=0.24100, 500=0.17900, 1000=0.15100, 2000=0.13000 (USD)", REACH SVHC=Yes, RoHS=Yes, RoHS Compliant=Yes, Size Code=1206, Stock 1=660, Supplier 1=RSComponents, Terminal Finish=Nickel, Termination=Wraparound, Width=2.5mm
  C11: DNP=DNP
C5 C34 C44 C62 C63 C64: "Cap Aluminum Lytic 100uF 400V 20% (18 X 31.5mm) Radial 7.5mm 875mA 12000h 105C Automotive Bulk", Capacitance=100uF, Case/Package=Radial, Manufacturer=Nichicon, Max Operating Temperature=105°C, Min Operating Temperature=-40°C, Package Quantity=50, Ripple Current=875mA, Supplier Part Number 1=647-UCY2G101MHD6, Tolerance=20%, Voltage Rating=400V, Category="Aluminum Electrolytic Capacitors", ComponentLink1Description=https://datasheet.ciiva.com/11675/e-cy-11675845.pdf?src-supplier=Avnet, ComponentLink1URL=https://datasheet.ciiva.com/11675/e-cy-11675845.pdf?src-supplier=Avnet, ComponentLink2Description=https://datasheet.ciiva.com/17522/e-cy-17522213.pdf?src-supplier=Avnet+Europe, ComponentLink2URL=https://datasheet.ciiva.com/17522/e-cy-17522213.pdf?src-supplier=Avnet+Europe, Diameter=18mm, Dissipation Factor=0.24%, Features="General Purpose", Height=31.5mm, Height - Seated (Max)=1.299inch, Lead Pitch=7.5mm, Length=31.5mm, Life (Hours)=10000Hour, Manufacturer Part Number=UCY2G101MHD6, Mount="Through Hole", Packaging=Bulk, Polarity=Polar, Pricing 1="1=4.44000, 10=3.09000, 50=3.09000, 100=2.08000, 600=1.86000, 1000=1.86000, 10000=1.86000 (USD)", Radiation Hardening=No, RoHS=Yes, RoHS Compliant=Yes, Series=UCY, Stock 1=17, Supplier 1=Mouser, Termination=Radial, Voltage Rating (DC)=400V
C6 C8 C10 C12 C14 C17 C18 C19 C20 C26 C27 C35 C37 C39 C45 C47 C49 C51 C52 C53 C55 C56 C57 C59 C60 C61 C65 C67 C68 C69 C71 C72 C73 C74 C75 C76 C77 C78 C79 C80 C81 C82 C83 C84 C85 C86: library part CGA4J3X7T2E104K125AA, "Cap Ceramic 0.1uF 250V X7T 10% SMD 0805 125°C Blister Plastic T/R", Capacitance=100nF, Case Code (Imperial)=0805, Case Code (Metric)=2012, Dielectric=X7T, Manufacturer=TDK, Max Operating Temperature=125°C, Min Operating Temperature=-55°C, Package Quantity=2000, Ratings=AEC-Q200, Resistor Type=Ceramic, Tolerance=10%, Voltage Rating=250V, Case/Package=0805, Category="Ceramic Capacitors", ComponentLink1Description=https://datasheet.ciiva.com/22703/1807242-22703721.pdf?src-supplier=Element14, ComponentLink1URL=https://datasheet.ciiva.com/22703/1807242-22703721.pdf?src-supplier=Element14, Construction=Flat, Depth=1.25mm, Height=1.25mm, Length=2mm, Manufacturer Part Number=CGA4J3X7T2E104K125AA, Mount="Surface Mount", Packaging="Tape and Reel", Pricing 1="1=0.33000, 10=0.22600, 50=0.15820, 100=0.13560, 500=0.10172, 1000=0.08590 (USD)", Radiation Hardening=No, REACH SVHC="No SVHC", RoHS=Yes, RoHS Compliant=Yes, Series=CGA, Stock 1=335314, Supplier 1=Digi-Key, Supplier Part Number 1=0.1uF, Termination=SMD/SMT, Thickness=0.057inch, Voltage Rating (DC)=250V, Weight=0.000194oz, Width=1.25mm
  C72 C73 C74 C77 C78 C79 C82 C83 C84: DNP=DNP
C22 C23: "CAP ALUM POLY 100UF 20% 63V SMD", Capacitance=100uF, Case/Package=Radial, ESR (Equivalent Series Resistance)=24mR, Leakage Current=3uA, Manufacturer=Nichicon, Max Operating Temperature=125°C, Min Operating Temperature=-55°C, Package Quantity=1, Ripple Current=3A, Supplier Part Number 1=493-13783-1-ND, Tolerance=20%, Voltage=63V, ComponentLink1Description=https://datasheet.ciiva.com/29551/e-ch-ta-29551389.pdf?src-supplier=Digi-Key, ComponentLink1URL=https://datasheet.ciiva.com/29551/e-ch-ta-29551389.pdf?src-supplier=Digi-Key, ComponentLink2Description=https://datasheet.ciiva.com/29551/e-ch-ta-29551390.pdf?src-supplier=Digi-Key, ComponentLink2URL=https://datasheet.ciiva.com/29551/e-ch-ta-29551390.pdf?src-supplier=Digi-Key, ComponentLink3Description=https://datasheet.ciiva.com/29551/e-ch-ta-29551391.pdf?src-supplier=Digi-Key, ComponentLink3URL=https://datasheet.ciiva.com/29551/e-ch-ta-29551391.pdf?src-supplier=Digi-Key, Depth=10.3mm, Diameter=10mm, Dissipation Factor=0.08%, Height=12.7mm, Height - Seated (Max)=0.504inch, Lead Free="Lead Free", Lead Pitch=4.6mm, Length=12.7mm, Life (Hours)=4000Hour, Manufacturer Part Number=PCR1J101MCL1GS, Mount="Surface Mount,PCB", Packaging="Tape and Reel", Pricing 1="1=3.63000, 10=2.92800, 100=2.28380 (USD)", RoHS=Yes, Stock 1=11476, Supplier 1=Digi-Key, Termination=SMD/SMT, Voltage Rating=63V, Voltage Rating (DC)=63V, Weight=0.045856oz
D1 D2 D7 D8 D9 D10: "DIODE SCHOTTKY 40V 3A SMA", Average Rectified Current=3A, Capacitance=250pF, Case/Package=SMA, Forward Voltage=500mV, Manufacturer=Diodes, Max Forward Surge Current (Ifsm)=80A, Max Operating Temperature=125°C, Max Repetitive Reverse Voltage (Vrrm)=40V, Min Operating Temperature=-55°C, Package Quantity=5000, Peak Reverse Current=500uA, Supplier Part Number 1=B340A-FDICT-ND, ComponentLink1Description=https://datasheet.ciiva.com/26949/getdatasheetpartid-143394-26949352.pdf?src-supplier=Verical, ComponentLink1URL=https://datasheet.ciiva.com/26949/getdatasheetpartid-143394-26949352.pdf?src-supplier=Verical, ComponentLink2Description=https://datasheet.ciiva.com/4245/861ds30891-4245763.pdf?src-supplier=Arrow, ComponentLink2URL=https://datasheet.ciiva.com/4245/861ds30891-4245763.pdf?src-supplier=Arrow, ComponentLink3Description=https://datasheet.ciiva.com/1177/ds30891-1177476.pdf?src-supplier=Element14, ComponentLink3URL=https://datasheet.ciiva.com/1177/ds30891-1177476.pdf?src-supplier=Element14, ComponentLink4Description=https://datasheet.ciiva.com/913/ds30891-913638.pdf?src-supplier=Digi-Key, ComponentLink4URL=https://datasheet.ciiva.com/913/ds30891-913638.pdf?src-supplier=Digi-Key, ComponentLink5Description=https://datasheet.ciiva.com/46393/1911813-46393773.pdf?src-supplier=Element14, ComponentLink5URL=https://datasheet.ciiva.com/46393/1911813-46393773.pdf?src-supplier=Element14, ComponentLink6Description=https://datasheet.ciiva.com/1240/ds30891-1240228.pdf?src-supplier=Newark, ComponentLink6URL=https://datasheet.ciiva.com/1240/ds30891-1240228.pdf?src-supplier=Newark, ComponentLink7Description=https://datasheet.ciiva.com/913/ds30891-913637.pdf?src-supplier=Digi-Key, ComponentLink7URL=https://datasheet.ciiva.com/913/ds30891-913637.pdf?src-supplier=Digi-Key, ComponentLink8Description=https://datasheet.ciiva.com/913/ds30891-913639.pdf?src-supplier=Digi-Key, ComponentLink8URL=https://datasheet.ciiva.com/913/ds30891-913639.pdf?src-supplier=Digi-Key, Contact Plating=Tin,Matte, Current=3A, Current Rating=3A, DNP=DNP, Element Configuration=Single, Forward Current=3A, Height=2.3mm, Lead Free="Lead Free", Length=4.6mm, Manufacturer Part Number=B340A-13-F, Max Reverse Voltage (DC)=40V, Mount="Surface Mount", Number of Pins=2, Output Current=3A, Packaging="Tape and Reel", Peak Non-Repetitive Surge Current=80A, Polarity=Standard, Pricing 1="1=0.42000, 10=0.33900, 100=0.23070, 500=0.17304, 1000=0.12978 (USD)", Radiation Hardening=No, REACH SVHC="No SVHC", RoHS=Yes, Stock 1=438328, Supplier 1=Digi-Key, Termination=SMD/SMT, Voltage=40V, Voltage Rating (DC)=40V, Weight=0.002258oz, Width=2.92mm